# Altium PCB MCC17.PcbDoc (part 2 of 5)
Units mm, origin at the board's own origin, x right, y up, seen from the top; angles counter-clockwise.
Board outline 170 x 100 mm, 2 copper layers (Top Layer, Bottom Layer), stack 1.571 mm thick; 112 components, 68 nets, 349 pads, 74 vias.
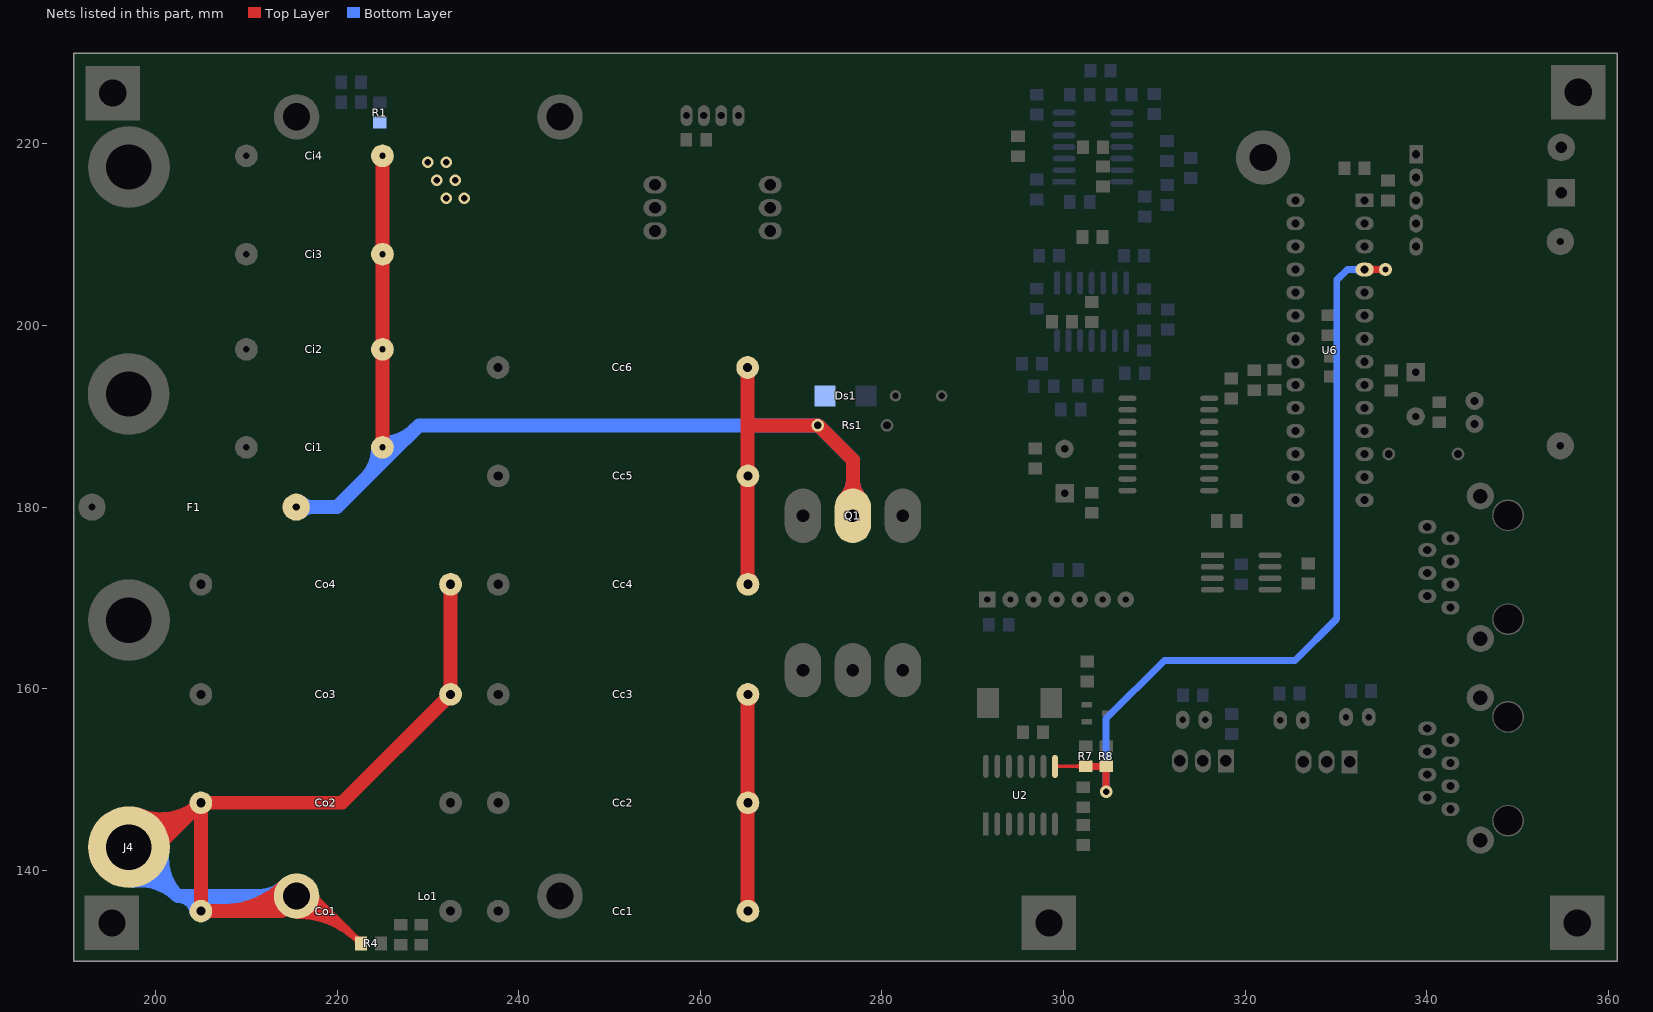
[diagram p2: the nets of this part, all layers, seen from the top]

## Via types
v1: diameter 1.4, hole 0.7, Top Layer to Bottom Layer, 48 vias
v2: diameter 1.27, hole 0.711, Top Layer to Bottom Layer, 24 vias
v3: diameter 5, hole 5, Top Layer to Bottom Layer, 2 vias

## Nets (pads, with @x,y where several pads share a name; then routed paths per layer and width w, separated by ;. In a path a pad name is that pad's centre, name@x,y a point inside that pad or via, vN(x,y) a via of type N, cw(c..) or ccw(c..) an arc to the next point about the centre after c; other vN are vias at no path point) (continued)
+VBAT: Co1.1 Co2.1 Co3.1 Co4.1 J4.1 Lo1.2 R4.1 | length 466.6
  Top Layer w0.762: Lo1.2@215.544,137.16 217.427,137.16 R4.1@222.65,131.937 ; Lo1.2@215.544,135.041 cw(c215.544,125.378) R4.1@222.377,132.211 ; Lo1.2@215.544,135.041 cw(c215.544,125.378) R4.1@222.377,132.211 ; Lo1.2@215.544,135.041 cw(c215.544,125.378) R4.1@222.377,132.211 ; Lo1.2@215.544,135.041 cw(c215.544,125.378) R4.1@222.377,132.211 ; Lo1.2@215.544,135.803 cw(c215.544,127.98) 221.076,133.512 ; Lo1.2@215.544,135.803 cw(c215.544,127.98) 221.076,133.512 ; Lo1.2@215.544,135.803 cw(c215.544,127.98) 221.076,133.512 ; Lo1.2@215.544,135.803 cw(c215.544,127.98) 221.076,133.512 ; Lo1.2@215.544,136.565 cw(c215.544,130.582) 219.775,134.813 ; Lo1.2@215.544,136.565 cw(c215.544,130.582) 219.775,134.813 ; Lo1.2@215.544,136.565 cw(c215.544,130.582) 219.775,134.813 ; Lo1.2@215.544,136.565 cw(c215.544,130.582) 219.775,134.813 ; Lo1.2@215.544,137.327 cw(c215.544,133.183) 218.474,136.113 ; Lo1.2@215.544,137.327 cw(c215.544,133.183) 218.474,136.113 ; Lo1.2@215.544,137.327 cw(c215.544,133.183) 218.474,136.113 ; Lo1.2@215.544,137.327 cw(c215.544,133.183) 218.474,136.113 ; R4.1@222.02,132.567 ccw(c222.65,133.197) R4.1@222.65,132.306 ; R4.1@222.02,132.567 ccw(c222.65,133.197) R4.1@222.65,132.306 ; R4.1@222.02,132.567 ccw(c222.65,133.197) R4.1@222.65,132.306 ; R4.1@222.02,132.567 ccw(c222.65,133.197) R4.1@222.65,132.306
  Top Layer w1.524: J4.1@197.075,142.544 200.106,142.544 Co2.1@205,147.438 ; Lo1.2@215.544,137.16 213.884,135.5 Co1.1@205,135.5 Co2.1@205,147.438 ; Co4.1@232.5,171.5 Co3.1@232.5,159.376 220.562,147.438 Co2.1@205,147.438 ; J4.1@197.322,143.188 ccw(c198.785,147.009) 201.678,144.116 ; J4.1@197.322,143.188 ccw(c198.785,147.009) 201.678,144.116 ; J4.1@197.322,143.188 ccw(c198.785,147.009) 201.678,144.116 ; J4.1@197.322,143.188 ccw(c198.785,147.009) 201.678,144.116 ; J4.1@197.867,144.612 ccw(c199.705,149.411) 203.339,145.777 ; J4.1@197.867,144.612 ccw(c199.705,149.411) 203.339,145.777 ; J4.1@197.867,144.612 ccw(c199.705,149.411) 203.339,145.777 ; J4.1@197.867,144.612 ccw(c199.705,149.411) 203.339,145.777 ; J4.1@198.412,146.035 ccw(c200.625,151.813) Co2.1@205,147.438 ; J4.1@198.412,146.035 ccw(c200.625,151.813) Co2.1@205,147.438 ; J4.1@198.412,146.035 ccw(c200.625,151.813) Co2.1@205,147.438 ; J4.1@198.412,146.035 ccw(c200.625,151.813) Co2.1@205,147.438 ; 207.341,135.5 ccw(c207.341,145.363) Lo1.2@214.315,138.389 ; 207.341,135.5 ccw(c207.341,145.363) Lo1.2@214.315,138.389 ; 207.341,135.5 ccw(c207.341,145.363) Lo1.2@214.315,138.389 ; 207.341,135.5 ccw(c207.341,145.363) Lo1.2@214.315,138.389 ; 211.02,135.5 ccw(c211.02,141.684) Lo1.2@215.393,137.311 ; 211.02,135.5 ccw(c211.02,141.684) Lo1.2@215.393,137.311 ; 211.02,135.5 ccw(c211.02,141.684) Lo1.2@215.393,137.311 ; 211.02,135.5 ccw(c211.02,141.684) Lo1.2@215.393,137.311
  Bottom Layer w1.524: J4.1@197.075,142.544 202.459,137.16 ; Lo1.2@215.544,137.16 205,137.16 202.459,137.16 ; J4.1@197.357,140.348 cw(c197.799,136.891) 200.264,139.355 ; J4.1@197.357,140.348 cw(c197.799,136.891) 200.264,139.355 ; J4.1@197.357,140.348 cw(c197.799,136.891) 200.264,139.355 ; J4.1@197.357,140.348 cw(c197.799,136.891) 200.264,139.355 ; J4.1@197.55,138.836 cw(c198.298,132.999) 202.459,137.16 ; J4.1@197.55,138.836 cw(c198.298,132.999) 202.459,137.16 ; J4.1@197.55,138.836 cw(c198.298,132.999) 202.459,137.16 ; J4.1@197.55,138.836 cw(c198.298,132.999) 202.459,137.16 ; J4.1@199.271,142.263 ccw(c202.729,141.82) 200.264,139.355 ; J4.1@199.271,142.263 ccw(c202.729,141.82) 200.264,139.355 ; J4.1@199.271,142.263 ccw(c202.729,141.82) 200.264,139.355 ; J4.1@199.271,142.263 ccw(c202.729,141.82) 200.264,139.355 ; J4.1@200.783,142.069 ccw(c206.62,141.322) 202.459,137.16 ; J4.1@200.783,142.069 ccw(c206.62,141.322) 202.459,137.16 ; J4.1@200.783,142.069 ccw(c206.62,141.322) 202.459,137.16 ; J4.1@200.783,142.069 ccw(c206.62,141.322) 202.459,137.16 ; 202.459,137.16 cw(c202.459,135.072) Co1.1@204.519,135.419 ; 202.459,137.16 cw(c202.459,135.072) Co1.1@204.519,135.419 ; 202.459,137.16 cw(c202.459,135.072) Co1.1@204.519,135.419 ; 202.459,137.16 cw(c202.459,135.072) Co1.1@204.519,135.419 ; 204.262,137.16 cw(c204.262,135.376) Co1.1@206.022,135.672 ; 204.262,137.16 cw(c204.262,135.376) Co1.1@206.022,135.672 ; 204.262,137.16 cw(c204.262,135.376) Co1.1@206.022,135.672 ; 204.262,137.16 cw(c204.262,135.376) Co1.1@206.022,135.672 ; Co1.1@204.267,136.233 cw(c206.506,133.994) 206.506,137.16 ; Co1.1@204.267,136.233 cw(c206.506,133.994) 206.506,137.16 ; Co1.1@204.267,136.233 cw(c206.506,133.994) 206.506,137.16 ; Co1.1@204.267,136.233 cw(c206.506,133.994) 206.506,137.16 ; Co1.1@205.345,135.155 cw(c210.186,130.314) 210.186,137.16 ; Co1.1@205.345,135.155 cw(c210.186,130.314) 210.186,137.16 ; Co1.1@205.345,135.155 cw(c210.186,130.314) 210.186,137.16 ; Co1.1@205.345,135.155 cw(c210.186,130.314) 210.186,137.16 ; 211.348,137.16 cw(c211.348,132.964) Lo1.2@214.315,135.931 ; 211.348,137.16 ccw(c211.348,141.356) Lo1.2@214.315,138.389 ; 211.348,137.16 cw(c211.348,132.964) Lo1.2@214.315,135.931 ; 211.348,137.16 ccw(c211.348,141.356) Lo1.2@214.315,138.389 ; 211.348,137.16 ccw(c211.348,141.356) Lo1.2@214.315,138.389 ; 211.348,137.16 cw(c211.348,132.964) Lo1.2@214.315,135.931 ; 211.348,137.16 ccw(c211.348,141.356) Lo1.2@214.315,138.389 ; 211.348,137.16 cw(c211.348,132.964) Lo1.2@214.315,135.931
+VPANEL: Cc1.1 Cc2.1 Cc3.1 Cc4.1 Cc5.1 Cc6.1 Ci1.2 Ci2.2 Ci3.2 Ci4.2 Ds1.1 F1.1 Q1.2 R1.2 Rs1.2 | length 280.8
  Top Layer w1.524: Ci1.2@225,186.581 Ci2.2@225,197.376 Ci3.2@225,207.852 Ci4.2@225,218.692 ; Cc3.1@265.213,159.376 265.213,147.438 265.213,135.537 Cc1.1@265.25,135.5 ; Cc4.1@265.213,171.5 265.213,183.438 265.213,189 ; Cc6.1@265.213,195.376 265.213,189 ; Q1.2@276.804,179.042 276.804,185.196 273,189 Rs1.2@272.94,189 265.213,189 ; 265.213,136.767 ccw(c266.517,136.767) Cc1.1@265.595,135.845 ; 265.213,136.767 ccw(c266.517,136.767) Cc1.1@265.595,135.845 ; 265.213,136.767 ccw(c266.517,136.767) Cc1.1@265.595,135.845 ; 265.213,136.767 ccw(c266.517,136.767) Cc1.1@265.595,135.845 ; 265.213,146.171 cw(c266.517,146.171) Cc2.1@265.595,147.093 ; 265.213,146.171 cw(c266.517,146.171) Cc2.1@265.595,147.093 ; 265.213,146.171 cw(c266.517,146.171) Cc2.1@265.595,147.093 ; 265.213,146.171 cw(c266.517,146.171) Cc2.1@265.595,147.093 ; 265.213,148.705 ccw(c266.517,148.705) Cc2.1@265.595,147.783 ; 265.213,148.705 ccw(c266.517,148.705) Cc2.1@265.595,147.783 ; 265.213,148.705 ccw(c266.517,148.705) Cc2.1@265.595,147.783 ; 265.213,148.705 ccw(c266.517,148.705) Cc2.1@265.595,147.783 ; 265.213,158.109 cw(c266.517,158.109) Cc3.1@265.595,159.031 ; 265.213,158.109 cw(c266.517,158.109) Cc3.1@265.595,159.031 ; 265.213,158.109 cw(c266.517,158.109) Cc3.1@265.595,159.031 ; 265.213,158.109 cw(c266.517,158.109) Cc3.1@265.595,159.031 ; 265.213,172.767 ccw(c266.517,172.767) Cc4.1@265.595,171.845 ; 265.213,172.767 ccw(c266.517,172.767) Cc4.1@265.595,171.845 ; 265.213,172.767 ccw(c266.517,172.767) Cc4.1@265.595,171.845 ; 265.213,172.767 ccw(c266.517,172.767) Cc4.1@265.595,171.845 ; 265.213,182.171 cw(c266.517,182.171) Cc5.1@265.595,183.093 ; 265.213,182.171 cw(c266.517,182.171) Cc5.1@265.595,183.093 ; 265.213,182.171 cw(c266.517,182.171) Cc5.1@265.595,183.093 ; 265.213,182.171 cw(c266.517,182.171) Cc5.1@265.595,183.093 ; 265.213,184.705 ccw(c266.517,184.705) Cc5.1@265.595,183.783 ; 265.213,184.705 ccw(c266.517,184.705) Cc5.1@265.595,183.783 ; 265.213,184.705 ccw(c266.517,184.705) Cc5.1@265.595,183.783 ; 265.213,184.705 ccw(c266.517,184.705) Cc5.1@265.595,183.783 ; Q1.2@275.929,180.917 ccw(c273.815,183.031) 276.804,183.031 ; Q1.2@275.929,180.917 ccw(c273.815,183.031) 276.804,183.031 ; Q1.2@275.929,180.917 ccw(c273.815,183.031) 276.804,183.031 ; Q1.2@275.929,180.917 ccw(c273.815,183.031) 276.804,183.031 ; 276.804,183.031 ccw(c279.793,183.031) Q1.2@277.679,180.917 ; 276.804,183.031 ccw(c279.793,183.031) Q1.2@277.679,180.917 ; 276.804,183.031 ccw(c279.793,183.031) Q1.2@277.679,180.917 ; 276.804,183.031 ccw(c279.793,183.031) Q1.2@277.679,180.917
  Bottom Layer w1.524: F1.1@215.5,180 220,180 225.79,185.79 229,189 Rs1.2@272.94,189 273,189 276.804,185.196 Q1.2@276.804,179.042 ; F1.1@216.022,179.478 cw(c217.282,178.218) 217.282,180 ; F1.1@216.022,179.478 cw(c217.282,178.218) 217.282,180 ; F1.1@216.022,179.478 cw(c217.282,178.218) 217.282,180 ; F1.1@216.022,179.478 cw(c217.282,178.218) 217.282,180 ; F1.1@216.022,180.522 ccw(c217.282,181.782) 217.282,180 ; F1.1@216.022,180.522 ccw(c217.282,181.782) 217.282,180 ; F1.1@216.022,180.522 ccw(c217.282,181.782) 217.282,180 ; F1.1@216.022,180.522 ccw(c217.282,181.782) 217.282,180 ; 223.049,183.049 ccw(c219.517,186.581) Ci1.2@224.512,186.581 ; 223.049,183.049 ccw(c219.517,186.581) Ci1.2@224.512,186.581 ; 223.049,183.049 ccw(c219.517,186.581) Ci1.2@224.512,186.581 ; 223.049,183.049 ccw(c219.517,186.581) Ci1.2@224.512,186.581 ; Ci1.2@225,187.069 ccw(c225,192.064) 228.532,188.532 ; Ci1.2@225,187.069 ccw(c225,192.064) 228.532,188.532 ; Ci1.2@225,187.069 ccw(c225,192.064) 228.532,188.532 ; Ci1.2@225,187.069 ccw(c225,192.064) 228.532,188.532 ; Q1.2@275.929,180.917 ccw(c273.815,183.031) 276.804,183.031 ; Q1.2@275.929,180.917 ccw(c273.815,183.031) 276.804,183.031 ; Q1.2@275.929,180.917 ccw(c273.815,183.031) 276.804,183.031 ; Q1.2@275.929,180.917 ccw(c273.815,183.031) 276.804,183.031 ; 276.804,183.031 ccw(c279.793,183.031) Q1.2@277.679,180.917 ; 276.804,183.031 ccw(c279.793,183.031) Q1.2@277.679,180.917 ; 276.804,183.031 ccw(c279.793,183.031) Q1.2@277.679,180.917 ; 276.804,183.031 ccw(c279.793,183.031) Q1.2@277.679,180.917
  other v2: 232,214 234,214 231,216 233,216 230,218 232,218
BATOVERVOLTAGEINTERRUPT: R7.2 R8.2 U2.8 U6.4 | length 120.5
  Top Layer w0.381: U2.8@299.07,151.45 R7.2@302.45,151.45 ; 301.241,151.45 cw(c301.241,150.341) R7.2@302.025,151.125 ; 301.241,151.45 ccw(c301.241,152.559) R7.2@302.025,151.775 ; 301.241,151.45 cw(c301.241,150.341) R7.2@302.025,151.125 ; 301.241,151.45 ccw(c301.241,152.559) R7.2@302.025,151.775 ; 301.241,151.45 ccw(c301.241,152.559) R7.2@302.025,151.775 ; 301.241,151.45 cw(c301.241,150.341) R7.2@302.025,151.125 ; 301.241,151.45 ccw(c301.241,152.559) R7.2@302.025,151.775 ; 301.241,151.45 cw(c301.241,150.341) R7.2@302.025,151.125
  Top Layer w0.762: R7.2@302.45,151.45 R8.2@304.7,151.45 v1(304.7,148.65) ; v1@304.474,148.876 ccw(c303.93,149.42) 304.7,149.42 ccw(c305.47,149.42) v1@304.926,148.876 ; U6.4@333.165,206.165 v1(335.465,206.165) ; U6.4@333.676,205.904 cw(c334.306,205.274) 334.306,206.165 cw(c334.306,207.056) U6.4@333.676,206.426 ; v1@335.239,205.939 ccw(c334.695,205.395) 334.695,206.165 ccw(c334.695,206.935) v1@335.239,206.391 ; U6.4@333.426,205.904 cw(c334.056,205.274) U6.4@334.056,206.165 ; U6.4@333.426,205.904 cw(c334.056,205.274) U6.4@334.056,206.165 ; U6.4@333.426,205.904 cw(c334.056,205.274) U6.4@334.056,206.165 ; U6.4@333.426,206.426 ccw(c334.056,207.056) U6.4@334.056,206.165 ; U6.4@333.426,206.426 ccw(c334.056,207.056) U6.4@334.056,206.165 ; U6.4@333.426,206.426 ccw(c334.056,207.056) U6.4@334.056,206.165
  Bottom Layer w0.762: v1@304.474,148.876 ccw(c303.93,149.42) 304.7,149.42 ccw(c305.47,149.42) v1@304.926,148.876 ; v1(304.7,148.65) 304.7,156.7 311.11,163.11 325.506,163.11 330.1,167.704 330.1,205 331.265,206.165 U6.4@333.165,206.165 v1(335.465,206.165) ; U6.4@332.654,205.904 ccw(c332.024,205.274) 332.024,206.165 ccw(c332.024,207.056) U6.4@332.654,206.426 ; U6.4@333.676,205.904 cw(c334.306,205.274) 334.306,206.165 cw(c334.306,207.056) U6.4@333.676,206.426 ; v1@335.239,205.939 ccw(c334.695,205.395) 334.695,206.165 ccw(c334.695,206.935) v1@335.239,206.391 ; U6.4@332.274,206.165 cw(c332.274,205.274) U6.4@332.904,205.904 ; U6.4@332.274,206.165 ccw(c332.274,207.056) U6.4@332.904,206.426 ; U6.4@332.274,206.165 ccw(c332.274,207.056) U6.4@332.904,206.426 ; U6.4@332.274,206.165 cw(c332.274,205.274) U6.4@332.904,205.904 ; U6.4@332.274,206.165 ccw(c332.274,207.056) U6.4@332.904,206.426 ; U6.4@332.274,206.165 cw(c332.274,205.274) U6.4@332.904,205.904 ; U6.4@333.426,205.904 cw(c334.056,205.274) U6.4@334.056,206.165 ; U6.4@333.426,205.904 cw(c334.056,205.274) U6.4@334.056,206.165 ; U6.4@333.426,205.904 cw(c334.056,205.274) U6.4@334.056,206.165 ; U6.4@333.426,206.426 ccw(c334.056,207.056) U6.4@334.056,206.165 ; U6.4@333.426,206.426 ccw(c334.056,207.056) U6.4@334.056,206.165 ; U6.4@333.426,206.426 ccw(c334.056,207.056) U6.4@334.056,206.165